# KiCad board yddraig030.kicad_pcb (continued)
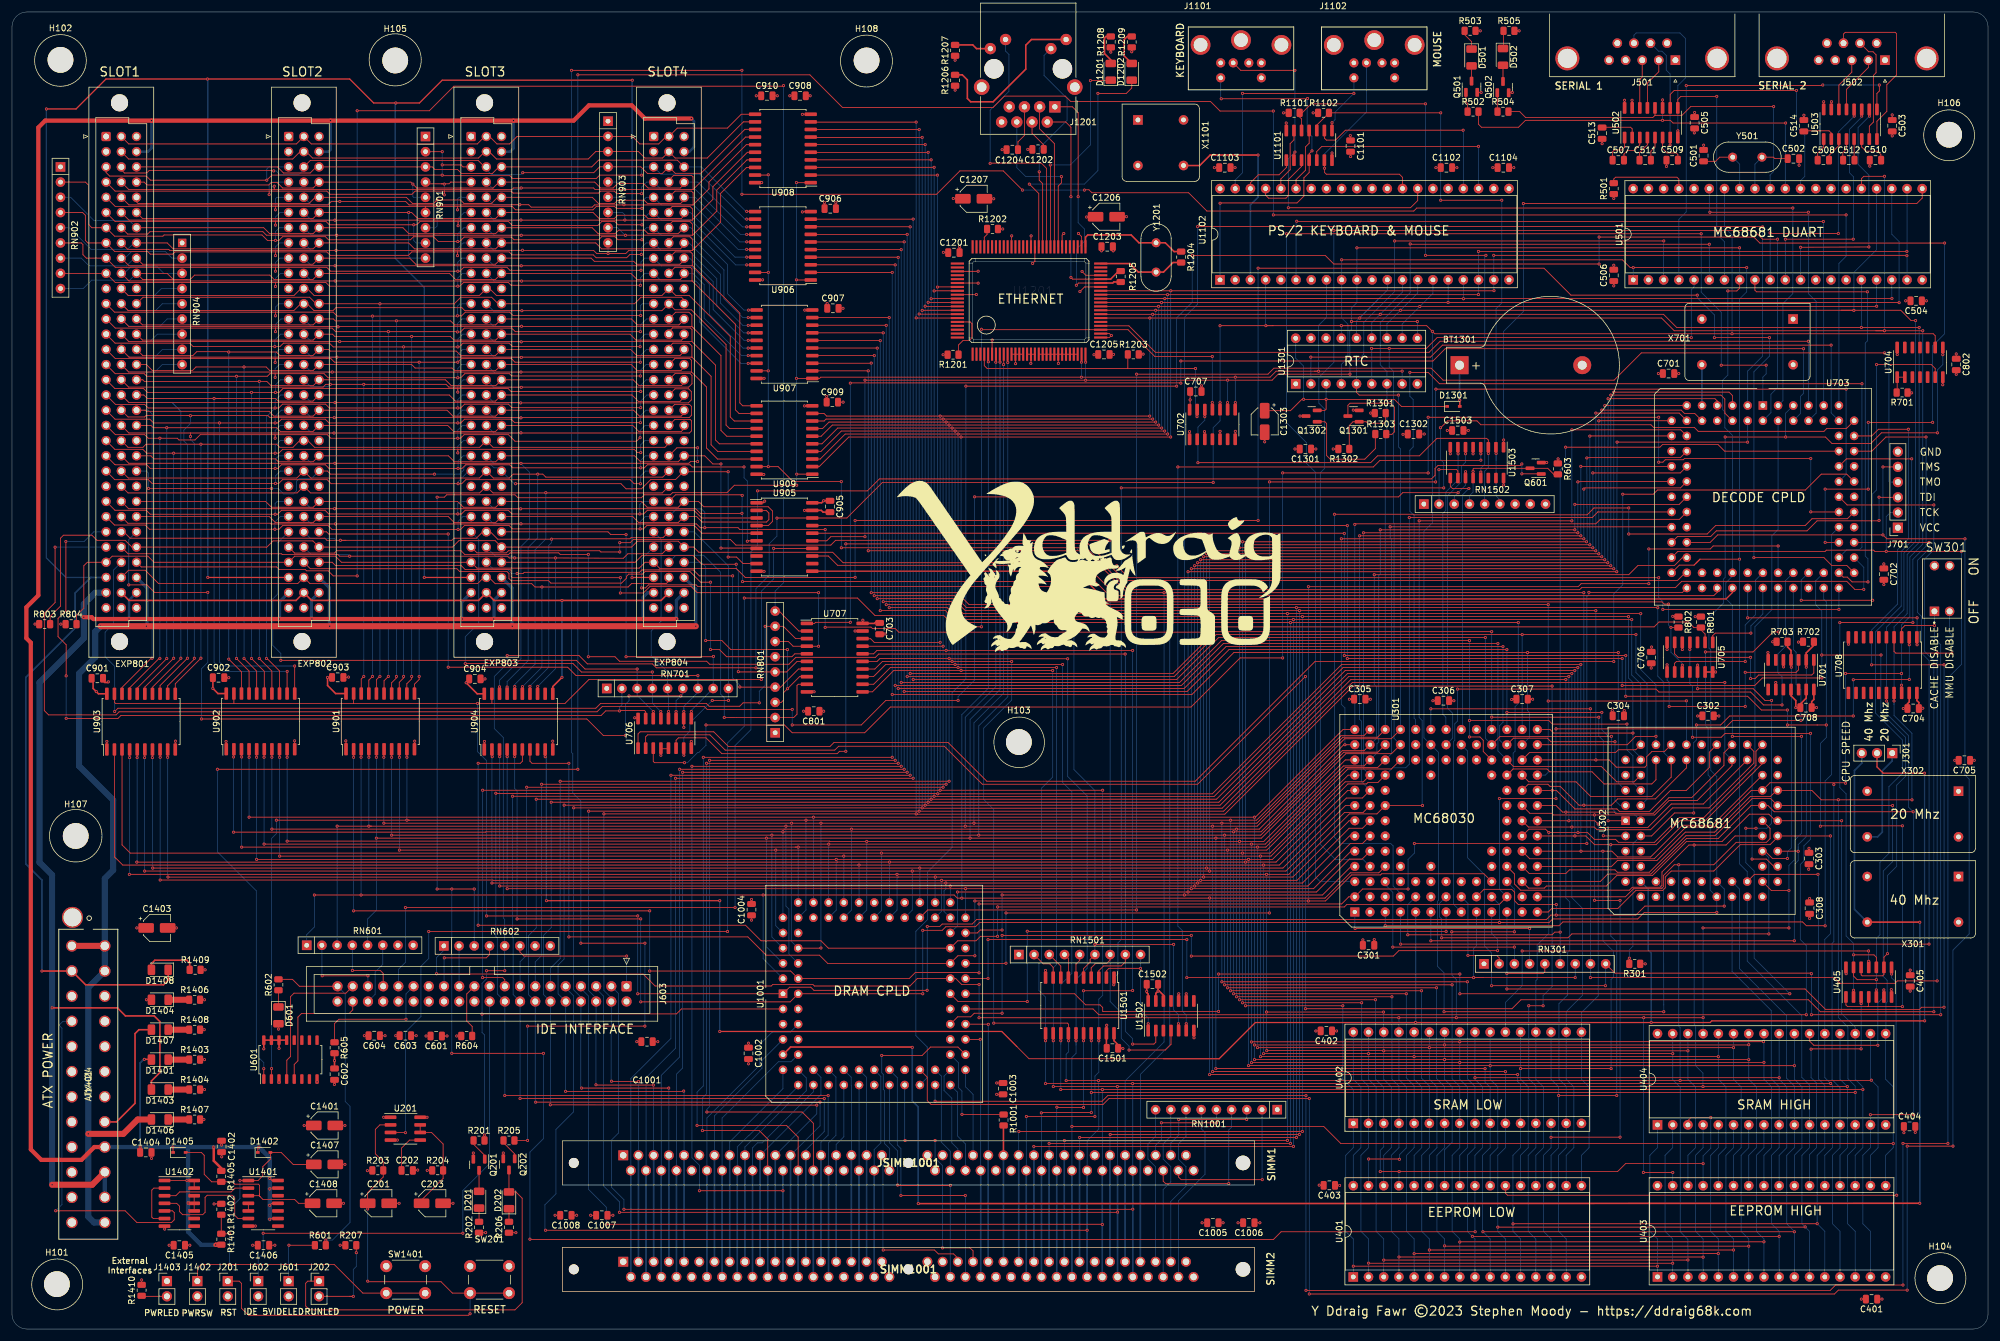
[diagram p0: board, top side]
## Routing (per net, layer and track width the routed paths; a pad name or vN(x,y) marks a point on that pad's centre or on a via; arc(x,y) is an arc through that point) (continued)
/IDE/~{INT_IDE}: length 21.8
  Top w0.127: R603.2 257.49,142.76 256.47,143.78 Q601.3 244.13,143.78 244,143.65 v1(244,143.25) 244,142.16 U1503.12
  Bottom w0.127: RN1502.4 243.4,139.2 244,139.8 v1(244,143.25)
/Interrupts/~{INT_DUART}: length 110.6
  Top w0.127: v1(249.1,148.5) 249.09,148.49 U1503.1 ; v1(252.4,188) 318.1,188 319.01,188.91 U501.21
  Bottom w0.127: v1(252.4,188) 252.4,169.95 249.1,166.65 v1(249.1,148.5)
/Interrupts/~{INT_KBD}: length 97.7
  Top w0.127: U1503.13 245.28,143.13 v1(245.3,143.15) ; U1101.12 215.36,202.14 215.04,202.46 R1101.2 215.45,203.15 216.95,204.65 v1(236.05,204.65) ; v1(246.15,179.35) v1(236.05,179.35)
  Bottom w0.127: v1(245.3,143.15) 245.3,143.8 245.95,144.45 245.95,179.15 v1(246.15,179.35) ; v1(236.05,179.35) v1(236.05,204.65)
/Interrupts/~{INT_MOUSE}: length 100.9
  Top w0.127: v1(247.85,146.25) 247.85,147.27 U1503.2 ; U1101.10 217.9,201.1 219.94,203.14 R1102.2 v1(238.6,203.15) ; v1(248.8,188.55) v1(238.6,188.55)
  Bottom w0.127: 247.85,145.1 v1(247.85,146.25) ; 247.85,145.1 247.85,170.45 248.8,171.4 v1(248.8,188.55) ; 247.85,145.1 247.85,139.15 248.48,138.52 RN1502.6 ; v1(238.6,203.15) v1(238.6,188.55)
/Power/PWR_OK: length 21
  Top w0.254: D1407.2 21.2,50 20.55,49.35 20.55,37.7 17.45,34.6 J1401.8
/Power/~{PWR_ON}: length 57.8
  Top w0.127: v1(7.3,19.75) 18.9,19.75 20.85,17.8 26.65,17.8 27.1,18.25 27.1,19.45 26.8,19.75 25.49,19.75 U1402.5
  Bottom w0.127: v1(7.3,19.75) 8.35,20.8 8.35,50.25 7.85,50.75 8.5,51.4 J1401.16
/ROM and SRAM/A0: length 322.2
  Top w0.127: v1(233.15,73.5) 225.55,73.5 U301.A2 223.25,72.2 222.05,71 v1(161.5,71) ; v1(234.2,81.1) v1(263,81.1) ; v1(263.35,123.05) 278.97,123.05 U703.33 ; v1(57.05,95.5) 57.05,96.84 U901.2 ; v1(106.5,59.8) 130.04,59.8 U1001.84 149.84,58.54 150.85,59.55 161.45,59.55 v1(161.5,59.5) ; v1(106.5,69.85) v1(57.05,69.85)
  Bottom w0.127: v1(106.5,59.8) v1(106.5,69.85) ; v1(263.35,123.05) 263.35,122.7 263,122.35 v1(263,81.1) ; v1(57.05,95.5) v1(57.05,69.85) ; v1(161.5,59.5) v1(161.5,71) ; v1(233.15,73.5) 233.15,78.45 234.2,79.5 v1(234.2,81.1)
/ROM and SRAM/A1: length 781.2
  Top w0.127: v1(301.6,75.95) 291,75.95 U302.25 ; v1(250.67,17.57) 250.69,17.59 v1(301.47,17.59) ; 281.9,128.6 281.2,127.9 ; 281.9,128.6 281.2,127.9 ; 281.9,128.6 v1(288.5,128.6) ; 281.9,128.6 280.9,127.6 ; U901.3 58.3,96.82 v1(58.3,95.5) ; U1201.5 163.03,161.57 v1(163.05,161.55) ; v1(289.7,177.3) v1(270.75,177.3) 270.25,177.3 268.95,178.6 v1(222.05,178.6) ; 280.9,127.6 278.44,127.6 U703.32 ; 280.9,127.6 281.2,127.9 ; U301.C4 228.25,76.2 223.5,76.2 219.28,71.97 v1(158.62,71.97) 157.88,71.97 157.35,72.5 v1(125.45,72.5) v1(58.3,72.5) v1(50.5,72.5) ; v1(200,42.5) v1(251.45,42.5)
  Bottom w0.127: 251.95,40.5 251.94,40.49 251.94,39.89 ; 251.94,39.89 U402.12 251.94,30.29 250.67,29.02 v1(250.67,17.57) 250.67,16.32 251.94,15.05 U401.12 ; 251.94,39.89 251.94,40.86 251.45,41.35 v1(251.45,42.5) ; U1001.83 125.45,61.85 v1(125.45,72.5) ; v1(58.3,95.5) v1(58.3,72.5) ; v1(289.7,177.3) 289.7,173.25 288.5,172.05 v1(288.5,128.6) 288.5,77.7 289.79,76.41 U302.25 ; v1(163.05,161.55) 163.05,107.05 158.62,102.62 v1(158.62,71.97) ; U403.12 302.74,16.32 v1(301.47,17.59) 301.47,29.02 302.74,30.29 U404.12 302.74,40.71 301.7,41.75 301.7,75.85 v1(301.6,75.95) ; U1301.4 222,161.13 223.1,162.23 223.1,167.84 222.06,168.88 U1102.9 222.06,178.59 v1(222.05,178.6) ; v1(50.5,72.5) 50.5,67.15 49.22,65.87 RN601.1 ; v1(200,72) v1(200,42.5) ; v1(270.75,177.3) U501.1
/ROM and SRAM/A2: length 710.2
  Top w0.127: U1201.7 164.32,161.53 v1(164.3,161.5) ; U1301.5 224.54,156.46 225,156 v1(231.55,156) ; v1(275.85,181.75) v1(230.9,181.75) ; U901.4 59.6,96.84 v1(59.6,95.5) ; U301.D13 230.33,98.6 222.55,98.6 207.95,84 v1(200.5,84) v1(159.2,84) v1(129.25,84) 60.05,84 ; v1(59.6,84) 60.05,84 ; 60.05,84 v1(54.3,84) ; v1(248.13,17.02) 299.42,17.02 v1(299.46,17.06) ; v1(200.5,43) v1(249.4,43)
  Bottom w0.127: U401.11 249.4,15.05 248.13,16.32 v1(248.13,17.02) 248.13,29.02 249.4,30.29 U402.11 v1(249.4,43) ; v1(200.5,84) v1(200.5,43) ; v1(59.6,95.5) v1(59.6,84) ; v1(230.9,181.75) 230.9,173.3 225.75,168.15 225.75,162.85 224.54,161.64 U1301.5 ; v1(129.25,84) 129.25,70.65 129.75,70.15 129.75,62.63 U1001.82 ; U403.11 300.2,16.32 v1(299.46,17.06) 298.93,17.59 298.93,29.02 300.2,30.29 U404.11 300.2,40.75 298.9,42.05 298.9,52.35 289.79,61.46 U302.24 ; U501.3 275.83,181.73 v1(275.85,181.75) ; v1(164.3,161.5) 164.3,107.3 159.2,102.2 v1(159.2,84) ; v1(54.3,84) RN601.3 ; v1(231.55,156) 231.55,147.35 231.87,147.03 U301.D13
/ROM and SRAM/A3: length 695.9
  Top w0.127: v1(246,43.5) v1(201.05,43.5) ; v1(165,161.5) 164.97,161.53 U1201.8 ; v1(297.66,16.24) 297.65,16.25 v1(245.65,16.25) ; U301.D12 230.37,96.1 222.75,96.1 208.65,82 v1(201.05,82) v1(160,82) v1(126,82) v1(60.85,82) ; v1(227.05,163.8) 236.2,163.8 238,165.6 v1(280.45,165.6) ; U901.5 60.86,95.51 v1(60.85,95.5)
  Bottom w0.127: v1(126,82) 126,63.84 U1001.81 ; U301.D12 230.8,98.67 230.8,134.6 230.7,134.7 230.7,160 230,160.7 v1(230,163.8) ; v1(280.45,165.6) 280.45,173.6 280.91,174.06 U501.5 ; U401.10 246.86,15.05 245.61,16.3 v1(245.65,16.25) 245.59,16.31 245.59,29.02 246.86,30.29 U402.10 246.86,40.39 246,41.25 v1(246,43.5) ; v1(160,82) 160,101.8 165,106.8 v1(165,161.5) ; U302.23 288.5,73.49 288.5,60.2 296.35,52.35 296.35,41.9 297.66,40.59 U404.10 297.66,30.29 296.39,29.02 296.39,17.59 297.66,16.32 v1(297.66,16.24) U403.10 ; v1(60.85,95.5) v1(60.85,82) 60.85,69.95 59.38,68.48 RN601.5 ; U1301.6 227.08,163.77 v1(227.05,163.8) ; v1(201.05,82) v1(201.05,43.5)
/ROM and SRAM/A4: length 689.6
  Top w0.127: v1(243.88,15.49) 243.9,15.47 v1(295.12,15.47) ; U301.C13 228.05,98.85 222.25,98.85 207.9,84.5 v1(202.05,84.5) v1(160.65,84.5) v1(135.1,84.5) v1(130.2,84.5) v1(62.1,84.5) ; v1(283.45,181.2) 233.55,181.2 v1(233.5,181.25) ; v1(135.1,63.65) 135.07,63.62 U1001.80 ; v1(165.6,161.1) 165.62,161.12 U1201.9 ; U901.6 62.1,96.81 v1(62.1,95.5) ; v1(243.05,58) v1(202.05,58)
  Bottom w0.127: U1001.80 130.15,64.77 130.15,84.45 v1(130.2,84.5) ; U501.6 v1(283.45,181.2) ; v1(160.65,84.5) 160.65,101.25 165.6,106.2 v1(165.6,161.1) ; U302.22 287.25,59.75 293.8,53.2 293.8,41.8 295.12,40.48 U404.9 295.12,30.29 293.85,29.02 293.85,17.59 295.12,16.32 v1(295.12,15.47) U403.9 ; v1(243.05,58) 243.05,41.8 244.32,40.53 U402.9 244.32,30.29 243.05,29.02 243.05,16.32 v1(243.88,15.49) 244.32,15.05 U401.9 ; v1(202.05,84.5) 202.04,84.49 202.04,58.01 v1(202.05,58) ; U301.C13 229.33,148.68 229.62,148.97 U1301.7 229.62,159.93 228.5,161.05 228.5,168.1 233.5,173.1 v1(233.5,181.25) ; v1(135.1,63.65) v1(135.1,84.5) ; v1(62.1,95.5) v1(62.1,84.5)
/ROM and SRAM/A5: length 479.2
  Top w0.127: v1(240.5,57.5) v1(202.5,57.5) ; v1(292.58,14.57) 241.82,14.57 v1(241.78,14.53) ; U1201.10 166.28,161.47 v1(166.3,161.45) ; v1(63.4,95.5) 63.4,96.84 U901.7 ; v1(63.4,82.5) v1(126.9,82.5) v1(161.45,82.5) v1(202.5,82.5) 208.55,82.5 222.4,96.35 228.09,96.35 U301.C12
  Bottom w0.127: v1(166.3,161.45) 166.3,105.6 161.45,100.75 v1(161.45,82.5) ; v1(126.9,82.5) 126.9,65.48 U1001.79 ; U403.8 v1(292.58,14.57) 292.58,15.05 291.31,16.32 291.31,29.02 292.58,30.29 U404.8 ; U401.8 v1(241.78,14.53) 241.78,15.05 240.51,16.32 240.51,29.02 241.78,30.29 U402.8 241.78,40.52 240.5,41.8 v1(240.5,57.5) ; v1(63.4,95.5) v1(63.4,82.5) ; v1(202.5,57.5) v1(202.5,82.5)
/ROM and SRAM/A6: length 389.7
  Top w0.127: U901.8 64.7,96.82 v1(64.7,95.5) ; v1(64.7,80) v1(127.55,80) v1(203,80) 209.55,80 223.1,93.55 230.36,93.55 U301.D11 ; v1(237.9,57) v1(203,57) ; v1(290.04,13.84) 239.29,13.84 v1(239.24,13.89)
  Bottom w0.127: v1(237.9,57) 237.9,41.85 239.24,40.51 U402.7 239.24,30.29 237.97,29.02 237.97,16.32 239.24,15.05 v1(239.24,13.89) U401.7 ; v1(203,57) v1(203,80) ; v1(64.7,95.5) v1(64.7,80) ; U403.7 v1(290.04,13.84) 290.04,15.05 288.77,16.32 288.77,29.02 290.04,30.29 U404.7 ; v1(127.55,80) 127.55,67.37 U1001.77
/ROM and SRAM/A7: length 447.8
  Top w0.127: v1(235.4,56.5) v1(203.5,56.5) ; 66.35,85 66.2,85 66.15,85.05 ; 66.35,85 v1(65.95,85) v1(44.15,85) ; 66.35,85 v1(132.6,85) v1(203.5,85) 207.85,85 221.96,99.11 225.76,99.11 U301.B13 ; v1(43.35,43.5) 43.33,43.47 43.33,42.43 ; v1(65.95,95.5) 65.95,96.84 U901.9 ; v1(287.5,13.2) v1(236.7,13.2)
  Bottom w0.127: U404.6 287.5,30.29 286.23,29.02 286.23,16.32 287.5,15.05 v1(287.5,13.2) U403.6 ; v1(132.6,85) 132.6,70 U1001.76 ; v1(203.5,56.5) v1(203.5,85) ; v1(43.35,43.5) 43.35,81.95 44.15,82.75 v1(44.15,85) ; U401.6 v1(236.7,13.2) 236.7,15.05 235.43,16.32 235.43,29.02 236.7,30.29 U402.6 236.7,40.6 235.4,41.9 v1(235.4,56.5) ; v1(65.95,95.5) v1(65.95,85)
/ROM and SRAM/A8: length 488.5
  Top w0.127: U902.2 37,96.79 v1(37,95.55) ; v1(234.16,12.59) 234.17,12.6 v1(284.95,12.6) ; U703.31 278.96,128.86 277.65,127.55 271.55,127.55 270,126 v1(227.5,126) ; v1(37,83) 79.12,83 79.17,83.05 v1(128.75,83.05) v1(204,83.05) 208.6,83.05 222.16,96.61 225.8,96.61 U301.B12 ; v1(232.85,56) v1(204,56)
  Bottom w0.127: v1(232.85,56) 232.85,41.95 234.16,40.64 U402.5 234.16,30.29 232.89,29.02 232.89,16.32 234.16,15.05 v1(234.16,12.59) U401.5 ; v1(128.75,83.05) 128.76,83.04 U1001.75 ; U404.5 284.96,30.29 283.69,29.02 283.69,16.32 284.96,15.05 284.96,13.49 v1(284.95,12.6) U403.5 ; v1(204,56) v1(204,83.05) ; v1(37,95.55) v1(37,83) ; v1(227.5,126) 227.5,107.65 227.85,107.3 227.85,98.66 U301.B12
/ROM and SRAM/A9: length 475.8
  Top w0.127: U902.3 38.35,96.82 v1(38.35,95.55) ; v1(287.5,47) v1(236.7,47) v1(208,47) ; 130.8,80.5 v1(38.35,80.5) ; 130.8,80.5 v1(131.3,80.5) ; 130.8,80.5 v1(208,80.5) 209.4,80.5 222.7,93.8 228.08,93.8 U301.C11 ; v1(230.15,134) 277.1,134 U703.26
  Bottom w0.127: U402.27 v1(236.7,47) 236.7,41.72 237.97,40.45 237.97,30.29 236.7,29.02 U401.27 ; v1(230.15,134) 230.15,132.2 230.4,131.95 230.4,96.13 U301.C11 ; v1(208,80.5) v1(208,47) ; U1001.74 v1(131.3,80.5) ; U403.27 287.5,29.02 288.77,30.29 288.77,40.45 287.5,41.72 v1(287.5,47) U404.27 ; v1(38.35,95.55) v1(38.35,80.5)
/ROM and SRAM/A10: length 565.7
  Top w0.127: v1(290.04,44.99) 290.02,45.01 v1(239.24,45.01) 239.23,45 v1(207.5,45) ; v1(39.6,95.5) 39.6,96.84 U902.4 ; v1(290.04,47.49) 290,47.45 239.25,47.45 v1(239.24,47.46) 239.23,47.45 v1(207.5,47.45) ; v1(39.6,85.5) v1(133.85,85.5) v1(207.5,85.5) 207.65,85.5 222.29,100.14 U301.A13 ; U703.25 278.47,135.25 265.25,135.25 264.5,134.5 224.35,134.5 v1(224.25,134.4)
  Bottom w0.127: U404.26 v1(290.04,47.49) v1(290.04,44.99) 290.04,41.72 291.31,40.45 291.31,30.29 290.04,29.02 U403.26 ; v1(207.5,45) v1(207.5,47.45) v1(207.5,85.5) ; U1001.72 133.84,85.49 v1(133.85,85.5) ; U401.26 239.24,29.93 240.51,31.2 240.51,40.45 239.24,41.72 v1(239.24,45.01) v1(239.24,47.46) U402.26 ; U301.A13 224.25,109.45 224.25,109.45 v1(224.25,134.4) ; v1(39.6,95.5) v1(39.6,85.5)
/ROM and SRAM/A11: length 492
  Top w0.127: v1(206.5,44) 246.85,44 v1(246.86,43.99) v1(297.66,43.99) ; v1(233.35,135.55) 263.9,135.55 264.85,136.5 264.87,136.48 U703.24 ; v1(40.85,78.45) v1(137.65,78.45) v1(206.5,78.45) 210.5,78.45 223.1,91.05 226.2,91.05 226.45,91.3 228.11,91.3 U301.C10 ; v1(40.85,95.5) 40.85,96.84 U902.5
  Bottom w0.127: v1(137.65,78.45) 137.65,69.97 U1001.71 ; U404.23 v1(297.66,43.99) 297.66,41.72 298.93,40.45 298.93,30.29 297.66,29.02 U403.23 ; U301.C10 230.56,93.75 232.75,93.75 233.35,94.35 v1(233.35,135.55) ; U402.23 v1(246.86,43.99) 246.86,41.72 248.13,40.45 248.13,30.29 246.86,29.02 U401.23 ; v1(206.5,78.45) v1(206.5,44) ; v1(40.85,78.45) v1(40.85,95.5)
/ROM and SRAM/A12: length 572.3
  Top w0.127: v1(228.5,133.5) v1(261,133.5) ; v1(292.5,48) 241.8,48 v1(241.78,47.98) 207.03,47.98 v1(207,47.95) ; v1(261,137.75) 278.43,137.75 U703.23 ; v1(207,44.5) 241.76,44.5 v1(241.78,44.52) 292.57,44.52 v1(292.58,44.53) ; v1(42.1,95.5) 42.1,96.81 U902.6 ; U301.B11 225.79,94.06 222.36,94.06 209.3,81 v1(207,81) v1(136.4,81) v1(42.1,81)
  Bottom w0.127: U401.25 241.78,29.02 243.05,30.29 243.05,40.45 241.78,41.72 v1(241.78,44.52) v1(241.78,47.98) U402.25 ; 228.5,133.15 228.5,126.1 228.25,125.85 228.25,98.05 227.95,97.75 227.95,96.22 U301.B11 ; 228.5,133.15 228.5,133.25 ; 228.5,133.15 v1(228.5,133.5) ; v1(207,81) v1(207,47.95) v1(207,44.5) ; U404.25 292.58,47.93 ; 292.58,47.93 v1(292.58,44.53) 292.58,41.72 293.85,40.45 293.85,30.29 292.58,29.02 U403.25 ; 292.58,47.93 292.57,47.93 v1(292.5,48) ; v1(136.4,81) 136.38,80.98 U1001.70 ; v1(42.1,95.5) v1(42.1,81) ; v1(261,133.5) v1(261,137.75)
/ROM and SRAM/A13: length 496.1
  Top w0.127: v1(43.41,83.51) 128.94,83.51 128.95,83.5 v1(140.2,83.5) v1(204.5,83.5) 208.3,83.5 222.4,97.6 v1(222.6,97.6) U301.A12 ; v1(222,132) v1(262.5,132) ; v1(230.45,55.5) v1(204.5,55.5) ; U703.21 278.64,140.5 262.7,140.5 v1(262.5,140.3) ; v1(231.62,12.03) 282.27,12.03 v1(282.42,12) ; v1(43.4,95.5) 43.4,96.84 U902.7
  Bottom w0.127: v1(204.5,55.5) v1(204.5,83.5) ; v1(222.6,97.6) 222.6,103.75 222,104.35 v1(222,132) ; v1(43.4,95.5) 43.4,83.52 v1(43.41,83.51) ; v1(140.2,83.5) 140.2,69.98 U1001.69 ; U403.4 v1(282.42,12) 282.42,15.05 281.15,16.32 281.15,29.02 282.42,30.29 U404.4 ; v1(262.5,132) v1(262.5,140.3) ; U401.4 v1(231.62,12.03) 231.62,15.05 230.35,16.32 230.35,29.02 231.62,30.29 U402.4 231.62,40.58 230.45,41.75 v1(230.45,55.5)
/ROM and SRAM/A14: length 477.4
  Top w0.127: v1(44.7,95.5) 44.7,96.82 U902.8 ; v1(44.7,79) v1(138.9,79) v1(208.5,79) 210.25,79 222.65,91.4 225.67,91.4 U301.B10 ; v1(208.5,45.5) v1(234.15,45.5) 284.95,45.5 v1(284.96,45.49) ; v1(225.7,133) v1(261.5,133) ; v1(261.5,141.5) 261.56,141.56 U703.20
  Bottom w0.127: v1(44.7,95.5) v1(44.7,79) ; U301.B10 225.7,93.61 v1(225.7,133) ; U403.28 284.96,29.02 286.23,30.29 286.23,40.45 284.96,41.72 v1(284.96,45.49) U404.28 ; v1(208.5,45.5) v1(208.5,79) ; U1001.68 138.92,78.98 v1(138.9,79) ; v1(261.5,133) v1(261.5,141.5) ; U401.28 234.16,29.02 235.43,30.29 235.43,40.45 234.16,41.72 U402.28
/ROM and SRAM/A15: length 501.5
  Top w0.127: v1(283.7,35.35) 280.4,35.35 279.88,34.83 U404.3 ; v1(45.95,95.5) 45.95,96.84 U902.9 ; v1(45.95,81.5) 136.55,81.5 136.6,81.45 v1(142.75,81.45) v1(205,81.45) 209.05,81.45 222.66,95.06 U301.A11 ; v1(228.5,26.3) v1(231.65,26.3) 268.13,26.3 269.46,27.63 v1(282.42,27.63) ; U703.19 278.6,143 v1(264,143) ; v1(227.7,55) v1(205,55) ; v1(205,130.5) v1(264,130.5)
  Bottom w0.127: v1(205,55) v1(205,81.45) v1(205,130.5) ; v1(45.95,95.5) v1(45.95,81.5) ; U403.29 v1(282.42,27.63) 282.42,28.92 283.7,30.2 v1(283.7,35.35) ; U1001.67 142.75,69.99 v1(142.75,81.45) ; v1(231.65,26.3) 231.62,26.27 U401.29 ; v1(227.7,55) 227.7,41.75 229.08,40.37 U402.3 229.08,30.43 228.5,29.85 v1(228.5,26.3) ; v1(264,130.5) v1(264,143)
/ROM and SRAM/A16: length 580.9
  Top w0.127: v1(262,144.1) U703.18 ; U903.2 17.11,78.89 18.5,77.5 v1(141.45,77.5) v1(209,77.5) 211.65,77.5 222.85,88.7 225.51,88.7 U301.B9 ; v1(229.08,11.52) 279.87,11.52 v1(279.88,11.53) ; v1(225.05,132.5) v1(262,132.5) ; v1(277.35,46) v1(226.55,46) v1(209,46)
  Bottom w0.127: U402.31 226.54,41.72 227.81,40.45 227.81,16.32 229.08,15.05 v1(229.08,11.52) U401.3 ; v1(225.05,132.5) 225.05,101.85 225.35,101.55 225.35,91.42 U301.B9 ; v1(141.45,77.5) 141.46,77.49 U1001.66 ; U404.31 277.34,47.11 277.35,47.1 v1(277.35,46) 277.35,41.65 278.6,40.4 278.6,16.25 279.88,14.97 v1(279.88,11.53) U403.3 ; v1(262,132.5) v1(262,144.1) ; v1(209,46) v1(209,77.5)
/ROM and SRAM/A17: length 549.8
  Top w0.127: U301.A10 223.13,92.52 210.11,79.5 v1(205.5,79.5) v1(145.2,79.5) 19.75,79.5 18.38,80.87 U903.3 ; v1(205.5,131.5) v1(262.95,131.5) ; v1(225.4,54.5) v1(205.5,54.5) ; v1(263,145.5) 263.1,145.6 278.66,145.6 U703.17 ; v1(226.54,11.01) 226.56,10.99 v1(277.34,10.99)
  Bottom w0.127: v1(225.4,54.5) 225.4,41.7 226.54,40.56 U402.2 226.54,30.29 225.27,29.02 225.27,16.32 226.54,15.05 v1(226.54,11.01) U401.2 ; v1(205.5,54.5) 205.5,78.95 ; 205.5,78.95 v1(205.5,131.5) ; 205.5,78.95 v1(205.5,79.5) ; v1(262.95,131.5) 263.05,131.6 v1(263,145.5) ; v1(145.2,79.5) 145.2,69.9 U1001.65 ; U403.2 v1(277.34,10.99) 277.34,15.05 276.07,16.32 276.07,29.02 277.34,30.29 U404.2
/ROM and SRAM/A18: length 534.1
  Top w0.127: U703.15 278.68,150.2 v1(260.5,150.2) ; v1(19.65,95.45) U903.4 ; v1(279.88,46.47) v1(229.08,46.47) 229.05,46.5 v1(209.55,46.5) ; v1(235.55,87.45) 235.54,87.44 U301.C8 227.94,86.05 223.35,86.05 213.25,75.95 v1(209.5,75.95) v1(147.8,75.95) v1(19.6,75.95) ; v1(229.05,52.95) v1(209.5,52.95) ; v1(235,135) v1(260.5,135)
  Bottom w0.127: U401.30 229.08,29.02 230.35,30.29 230.35,40.45 229.08,41.72 v1(229.08,46.47) U402.30 229.08,52.92 v1(229.05,52.95) ; v1(19.65,95.45) 19.65,76 v1(19.6,75.95) ; v1(209.5,52.95) 209.5,53.75 ; 209.5,53.75 v1(209.55,46.5) ; 209.5,53.75 v1(209.5,75.95) ; U404.30 v1(279.88,46.47) 279.88,41.72 281.15,40.45 281.15,30.29 279.88,29.02 U403.30 ; v1(147.8,75.95) 147.8,69.96 U1001.63 ; v1(235.55,87.45) 235.5,87.5 235.5,101.65 235,102.15 v1(235,135) ; v1(260.5,135) v1(260.5,150.2)
/ROM and SRAM/A19: length 540.9
  Top w0.127: v1(263.5,149.15) 263.68,149.18 U703.14 ; U903.5 20.9,96.79 v1(20.9,95.45) ; v1(222.25,54) v1(206,54) ; v1(224,10.5) v1(274.8,10.5) ; v1(20.84,77.99) 137.84,77.99 137.85,78 v1(146.55,78) v1(206,78) 211.1,78 223.08,89.98 U301.A9 ; v1(206,131) v1(263.5,131)
  Bottom w0.127: v1(146.55,78) 146.54,77.99 U1001.62 ; v1(20.84,77.99) 20.9,78.05 v1(20.9,95.45) ; U401.1 224,15.05 222.73,16.32 222.73,29.02 224,30.29 U402.1 224,40 222.25,41.75 v1(222.25,54) ; v1(263.5,149.15) v1(263.5,131) ; v1(206,54) v1(206,78) v1(206,131) ; U404.1 274.8,30.29 273.53,29.02 273.53,16.32 274.8,15.05 v1(274.8,10.5) U403.1
/ROM and SRAM/A20: length 394.6
  Top w0.127: v1(264.5,153) 278.42,153 U703.13 ; v1(22.15,76.5) v1(150.35,76.5) v1(200,76.5) 212.75,76.5 222.55,86.3 225.65,86.3 U301.B8 ; U903.6 22.15,96.77 v1(22.15,95.45) ; v1(200,130) v1(264.5,130)
  Bottom w0.127: v1(264.5,130) v1(264.5,153) ; v1(150.35,76.5) 150.35,69.97 U1001.61 ; v1(200,76.5) v1(200,130) ; v1(22.15,95.45) v1(22.15,76.5)
/ROM and SRAM/A21: length 383.1
  Top w0.127: U903.7 23.45,96.8 v1(23.45,95.45) ; v1(265,151.7) 265.02,151.72 U703.12 ; v1(199.5,129.5) v1(265,129.5) ; v1(23.5,77) v1(151.6,77) v1(199.5,77) 212.25,77 222.69,87.44 U301.A8
  Bottom w0.127: v1(265,129.5) v1(265,151.7) ; v1(23.5,77) 23.45,77.05 v1(23.45,95.45) ; U1001.58 151.62,76.98 v1(151.6,77) ; v1(199.5,77) v1(199.5,129.5)
/ROM and SRAM/A22: length 395.2
  Top w0.127: U903.8 24.75,96.79 v1(24.75,95.5) ; v1(198.5,128.5) v1(266,128.5) ; v1(266,154.25) 266.01,154.26 U703.11 ; U301.B7 225.54,83.65 223.3,83.65 214.6,74.95 v1(198.5,74.95) v1(155.25,74.95) 80.35,74.95 80.3,75 v1(24.75,75)
  Bottom w0.127: v1(198.5,74.95) v1(198.5,128.5) ; v1(155.25,74.95) 155.25,69.79 U1001.57 ; v1(266,128.5) v1(266,154.25) ; v1(24.75,95.5) v1(24.75,75)
/ROM and SRAM/A23: length 389.6
  Top w0.127: v1(199,129) v1(265.5,129) ; v1(265.5,153.5) 278.75,153.5 279.3,152.95 281.01,152.95 U703.10 ; 26.1,75.5 26.11,75.49 147.99,75.49 148,75.5 v1(154.2,75.5) v1(199,75.5) 213.9,75.5 223.3,84.9 U301.A7 ; v1(26,95.5) U903.9
  Bottom w0.127: v1(26.05,75.5) 26,75.55 v1(26,95.5) ; v1(199,75.5) v1(199,129) ; U1001.56 154.16,75.46 v1(154.2,75.5) ; v1(265.5,129) v1(265.5,153.5)
/ROM and SRAM/A24: length 344.6
  Top w0.127: v1(80.2,95.6) 80.15,95.65 U904.2 ; v1(198,128) v1(266.5,128) ; U703.7 284.8,154.28 284.8,155 284.4,155.4 v1(266.55,155.4) ; v1(80.15,74.5) v1(155.95,74.5) v1(198,74.5) 215.5,74.5 223.36,82.36 U301.A6
  Bottom w0.127: v1(80.15,74.5) 80.15,95.55 v1(80.2,95.6) ; v1(198,74.5) v1(198,128) ; v1(266.5,128) v1(266.55,155.4) ; v1(155.95,74.5) 155.95,73.5 155.65,73.2 155.65,69.75 U1001.55
/ROM and SRAM/A25: length 349.4
  Top w0.127: v1(81.45,95.6) 81.42,95.63 U904.3 ; U703.6 286.05,152.99 286.05,155.35 285.4,156 v1(267,156) ; v1(81.45,74) v1(156.7,74) v1(197.5,74) 216.4,74 223.5,81.1 225.53,81.1 U301.B6 ; v1(197.5,127.5) v1(267,127.5)
  Bottom w0.127: v1(267,156) 267.01,155.99 267.01,127.51 v1(267,127.5) ; v1(197.5,74) v1(197.5,127.5) ; U1001.54 v1(156.7,74) ; v1(81.45,95.6) v1(81.45,74)
/ROM and SRAM/A26: length 347.5
  Top w0.127: U703.5 287.32,155.93 286.75,156.5 v1(267.5,156.5) ; v1(82.7,95.6) 82.69,95.61 U904.4 ; v1(82.7,73.55) v1(159.25,73.55) v1(196.95,73.55) 217.35,73.55 223.62,79.82 U301.A5 ; v1(196.95,127) v1(267.5,127)
  Bottom w0.127: v1(159.25,73.55) 159.24,73.54 U1001.53 ; v1(196.95,73.55) v1(196.95,127) ; v1(267.5,127) v1(267.5,156.5) ; v1(82.7,95.6) v1(82.7,73.55)
/ROM and SRAM/A27: length 251.2
  Top w0.127: U301.B5 225.47,78.5 223.35,78.5 217.85,73 v1(196.4,73) v1(157.9,73) ; v1(196.4,126.5) v1(268,126.5) ; v1(268.05,148.15) v1(289.85,148.15)
  Bottom w0.127: v1(289.85,148.15) 289.86,148.14 U703.4 ; v1(268,126.5) v1(268.05,148.15) ; v1(157.9,73) 157.9,67.36 U1001.52 ; v1(196.4,73) v1(196.4,126.5)
/ROM and SRAM/A28: length 310.9
  Top w0.127: U301.A4 223.63,77.28 218.85,72.5 v1(165.35,72.5) ; v1(292.35,184.1) 292.3,184.15 v1(198,184.15) ; U1001.51 161.21,66.16 161.7,66.65 v1(165.35,66.65)
  Bottom w0.127: U703.3 289.86,160.01 292.35,162.5 v1(292.35,184.1) ; v1(195.8,72.5) 195.8,169 198,171.2 v1(198,184.15) ; v1(165.35,66.65) v1(165.35,72.5)
/ROM and SRAM/A29: length 220.1
  Top w0.127: v1(220.75,183.5) 290.9,183.5 292.35,182.05 v1(294.85,182.05)
  Bottom w0.127: U301.B4 225.67,78.4 221.05,78.4 218.5,80.95 218.5,143.05 219.2,143.75 219.2,153.7 218.25,154.65 218.25,158.95 220.75,161.45 v1(220.75,183.5) ; U703.2 293.75,153.07 293.75,156.15 294.85,157.25 v1(294.85,182.05)
/ROM and SRAM/A30: length 223.4
  Top w0.127: v1(212.85,182.95) v1(282.1,182.95) ; v1(285.45,161) v1(292.95,161)
  Bottom w0.127: U703.1 292.4,159 292.95,159.55 v1(292.95,161) ; v1(212.85,182.95) 212.86,182.94 212.86,151.39 216.15,148.1 216.15,144.65 217.7,143.1 217.7,75.5 218.46,74.74 U301.A3 ; v1(285.45,161) 285.45,169.85 282.1,173.2 v1(282.1,182.95)
/ROM and SRAM/D0: length 392.8
  Top w0.127: v1(150,92.5) v1(110.05,92.5) ; v1(265.75,82.4) 265.79,82.36 U302.3 ; v1(247.11,102.21) 247.13,102.2 v1(265,102.2) ; U906.8 149.98,184.12 v1(150,184.1) ; v1(150,109.5) 193.9,109.5 200.89,116.49 v1(247.11,116.49)
  Bottom w0.127: v1(265,102.2) 265,99.05 265.75,98.3 v1(265.75,82.4) ; v1(150,184.1) v1(150,109.5) v1(150,92.5) ; v1(247.11,116.49) v1(247.11,102.21) U301.K13 ; v1(110.05,92.5) 110.05,48.55 103.35,41.85 JSIMM1001.2
  Bottom w0.254: SIMM1001.2 JSIMM1001.2
/ROM and SRAM/D1: length 390.6
  Top w0.127: U301.K12 248.51,99 v1(267.1,99) ; v1(150.5,108.5) 194.5,108.5 201.5,115.5 v1(246.05,115.5) ; 133.4,185.39 150.49,185.39 v1(150.5,185.4) ; v1(150.5,92) v1(110.8,92)
  Bottom w0.127: v1(110.8,92) 110.8,46.9 105.89,41.99 JSIMM1001.4 ; v1(246.05,115.5) 246.05,98.66 U301.K12 ; v1(150.5,92) v1(150.5,108.5) v1(150.5,185.4) ; v1(267.1,99) 267.1,87.05 268,86.15 270.76,86.15 U302.2
  Bottom w0.254: SIMM1001.4 JSIMM1001.4
/ROM and SRAM/D2: length 381.5
  Top w0.127: v1(266.55,84.9) U302.1 ; v1(265.5,103) 249.66,103 v1(249.65,103) ; v1(149,93.5) v1(111.5,93.5) ; v1(249.65,113.5) 203.25,113.5 196.25,106.5 v1(149,106.5) ; v1(149,181.6) 148.98,181.58 U906.6
  Bottom w0.127: v1(149,181.6) v1(149,106.5) v1(149,93.5) ; v1(111.5,93.5) 111.5,45.45 108.43,42.38 JSIMM1001.6 ; v1(249.65,113.5) 249.65,113.35 v1(249.65,103) U301.L13 ; v1(265.5,103) 265.5,100.1 266.6,99 266.6,97.5 266.55,97.45 v1(266.55,84.9)
  Bottom w0.254: SIMM1001.6 JSIMM1001.6
/ROM and SRAM/D3: length 398.4
  Top w0.127: v1(149.5,109) 194.1,109 201.1,116 v1(252.2,116) v1(271.2,116) ; v1(149.5,182.85) 149.5,182.85 U906.7 ; v1(149.5,93) v1(112,93)
  Bottom w0.127: v1(112,93) 112,43.6 110.97,42.57 JSIMM1001.8 ; U301.M13 252.19,115.99 v1(252.2,116) ; U302.68 273.05,88.48 273.05,107.8 271.2,109.65 v1(271.2,116) ; v1(149.5,93) v1(149.5,109) v1(149.5,182.85)
  Bottom w0.254: SIMM1001.8 JSIMM1001.8
/ROM and SRAM/D4: length 379.3
  Top w0.127: JSIMM1001.20 126.21,31.56 126.3,31.65 124.8,33.15 v1(115.3,33.15) ; U906.4 147.96,179.04 v1(148,179) ; U301.L12 250.75,98.7 256.4,98.7 257,98.1 v1(267.7,98.1) ; v1(148,94.5) v1(116,94.5) ; v1(148,107) 195.75,107 202.75,114 v1(249,114)
  Bottom w0.127: v1(249,114) 249,101.35 248.45,100.8 248.45,98.35 249.2,97.6 U301.L12 ; v1(148,179) v1(148,107) v1(148,94.5) ; U302.67 268.56,87.44 267.7,88.3 v1(267.7,98.1) ; v1(116,94.5) 116,39.3 115.3,38.6 v1(115.3,33.15)
  Bottom w0.254: JSIMM1001.20 SIMM1001.20
/ROM and SRAM/D5: length 398.4
  Top w0.127: U301.K11 245.7,96.47 245.7,98.35 245.15,98.9 v1(243.4,98.9) ; v1(113.55,94) v1(148.5,94) ; v1(269.7,101.05) 257.25,101.05 256.65,101.65 v1(243.4,101.65) ; U906.5 148.49,180.31 v1(148.5,180.3) ; v1(114.8,23.1) v1(128.75,23.1) ; v1(243.4,115) 202,115 195,108 v1(148.5,108)
  Bottom w0.127: v1(113.55,94) 113.55,28.6 114.8,27.35 v1(114.8,23.1) ; v1(148.5,94) v1(148.5,108) v1(148.5,180.3) ; U302.66 271.2,90.75 270.7,91.26 270.7,95.75 269.7,96.75 v1(269.7,101.05) ; v1(243.4,115) v1(243.4,101.65) v1(243.4,98.9)
  Bottom w0.254: JSIMM1001.22 v1(128.75,23.1) SIMM1001.22
/ROM and SRAM/D6: length 392.9
  Top w0.127: v1(114.4,34) 129.35,34 131.29,32.06 JSIMM1001.24 ; v1(147,106) 197.05,106 204.05,113 v1(253.1,113) v1(268.25,113) ; U906.2 v1(147,176.5) ; v1(147,95.5) v1(115.45,95.5)
  Bottom w0.127: v1(147,95.5) v1(147,106) v1(147,176.5) ; v1(268.25,113) 268.25,91.2 U302.65 ; v1(253.1,113) 253.1,103.3 253.45,102.95 253.45,98.86 U301.M12 ; v1(115.45,95.5) 115.45,40.6 114.4,39.55 v1(114.4,34)